# Altium PCB MCU_SLAVE.PcbDoc
Units mm, origin at the board's own origin, x right, y up, seen from the top; angles counter-clockwise.
Board outline 40.13 x 80.52 mm, 2 copper layers (Top Layer, Bottom Layer); 52 components, 45 nets, 323 pads, 23 vias.
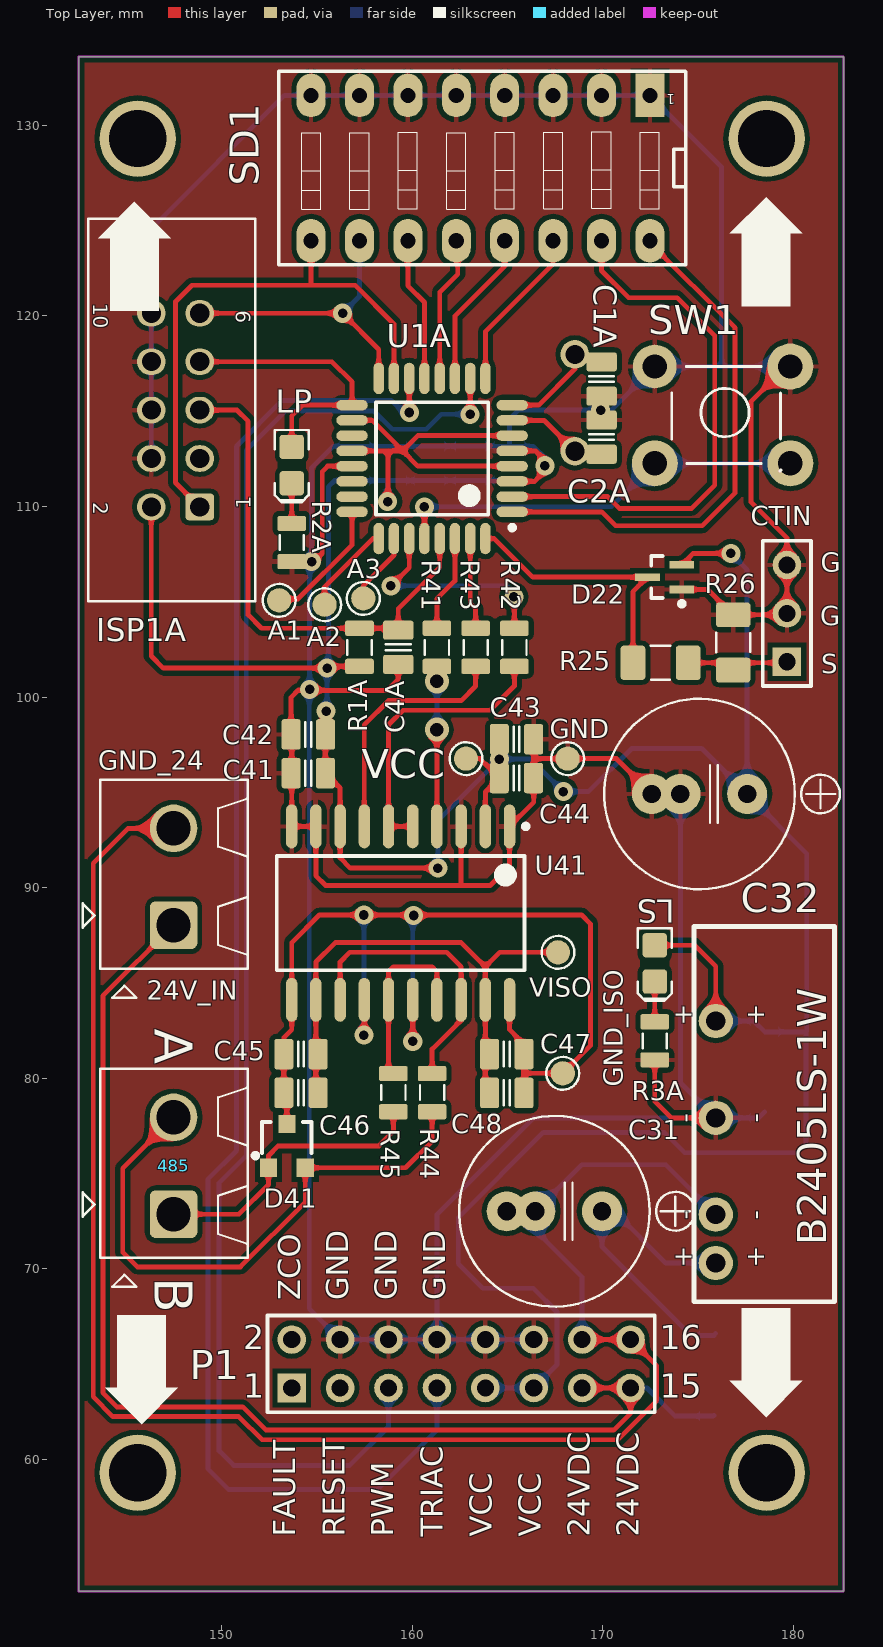
[diagram p0: Top Layer view]
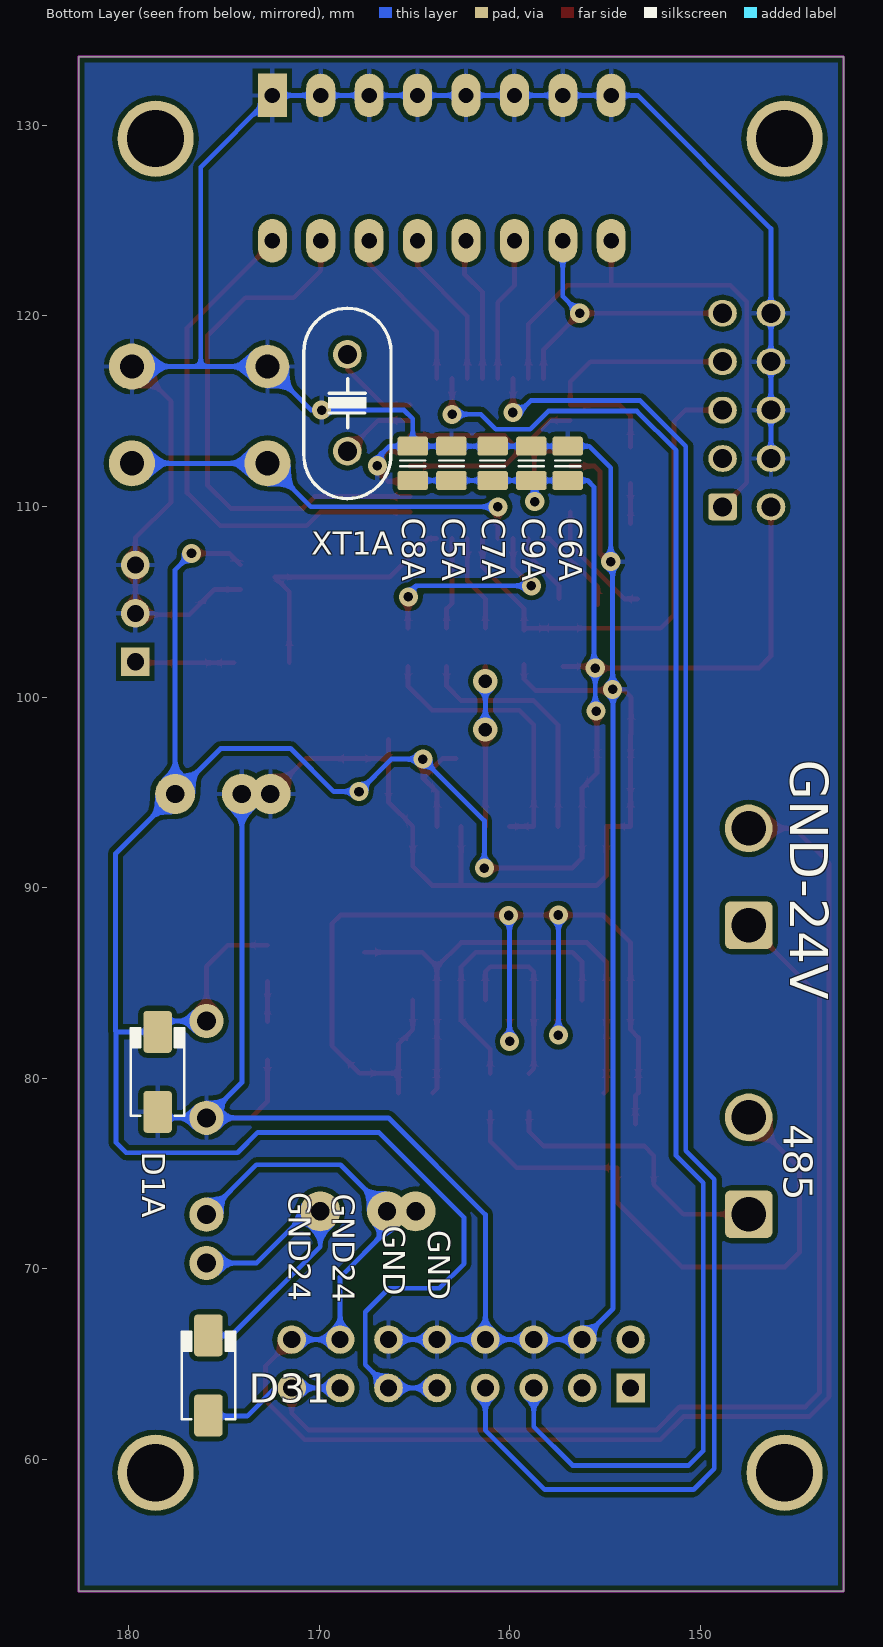
[diagram p1: Bottom Layer view, seen from below]
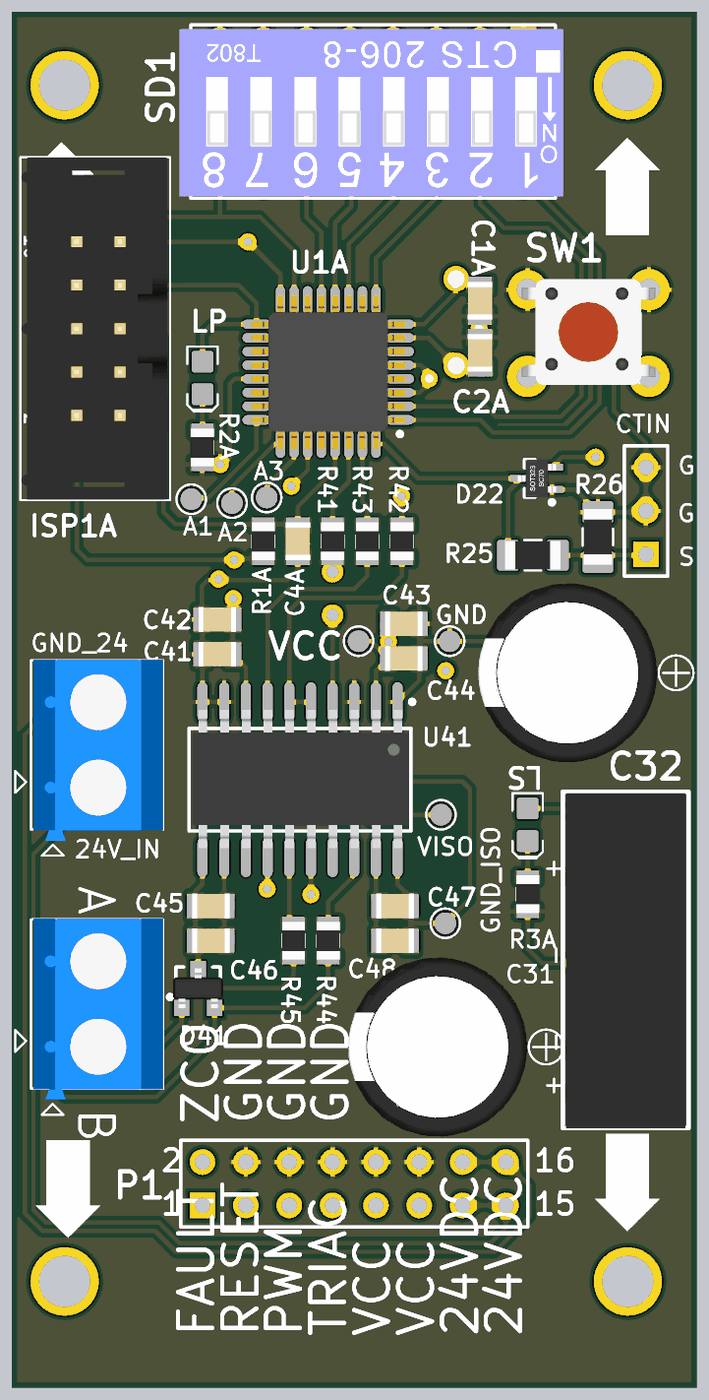
[diagram p2: 3D render of the assembled board from above, using the file's embedded part models]
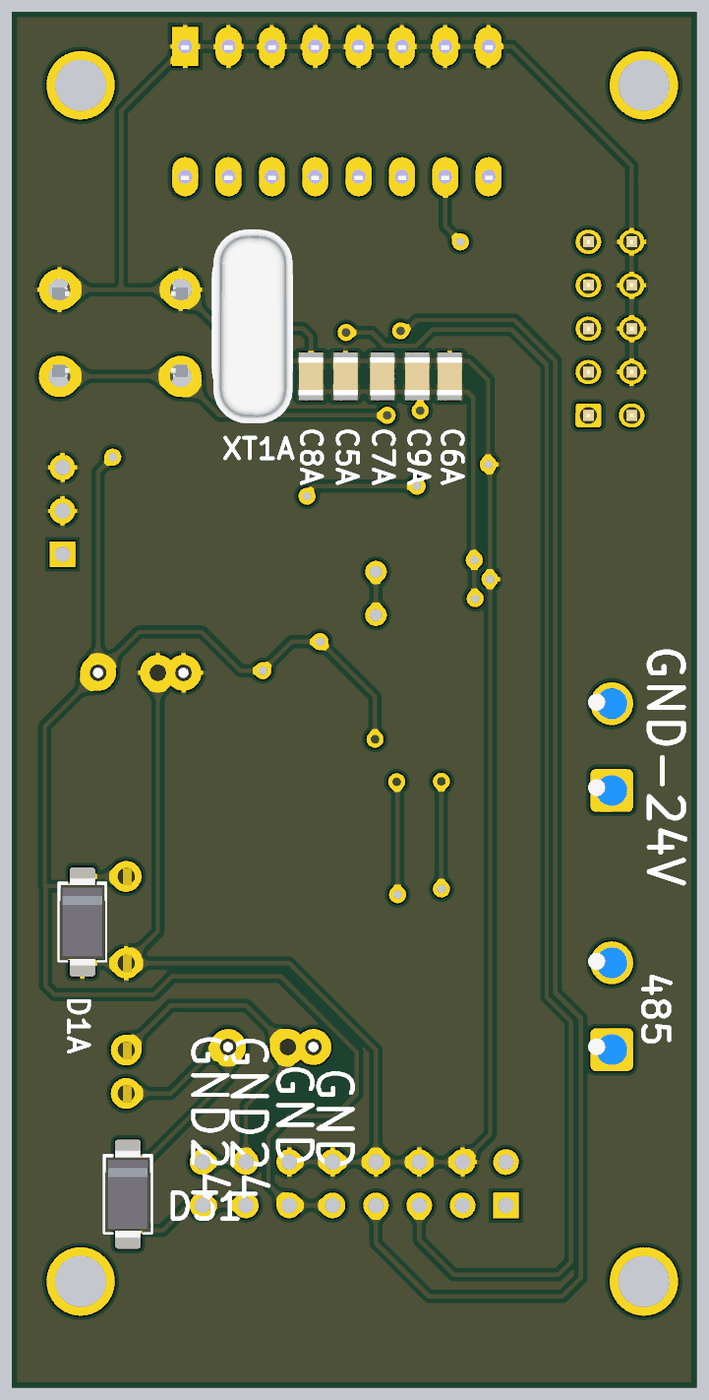
[diagram p3: 3D render of the assembled board from below, using the file's embedded part models]

## Layer stack, top to bottom
Top Solder: solder mask 0.0102, Solder Resist, Dk 3.5
Top Layer: signal copper 0.0356
Dielectric 1: dielectric 0.32, FR-4, Dk 4.8
Bottom Layer: signal copper 0.0356
Bottom Solder: solder mask 0.0102, Solder Resist, Dk 3.5

## Board outline
142.494,53.086 182.626,53.086 182.626,133.604 142.494,133.604

## Design rules (kind name [scope] priority, off if disabled: settings)
Clearance [All] p1: gap=0.254 ignorepadtopadclearanceinfootprint=TRUE except(0: Arc-Hole Track-Hole SMDPad-Hole THPad-Hole Via-Hole Fill-Hole Poly-Hole Region-Hole Text-Hole)
PolygonConnect [All] p1: connectstyle=Relief reliefconductorwidth=0.254 reliefentries=4 polygonreliefangle="90 Angle" airgapwidth=0.254
RoutingVias [All] p1: holewidth=0.711 width=1.27 viastyle="Through Hole" minholewidth=0.5 minwidth=1 maxholewidth=5 maxwidth=5
SolderMaskExpansion [All] p1: expansion=0.102
Width "Schematic Width Constraint_1" [InNet('GND')] p1: maxlimit=0.381 minlimit=0.254 preferedwidth=0.254
Width "Schematic Width Constraint" [InNet('VCC')] p2: maxlimit=0.762 minlimit=0.254 preferedwidth=0.254 checkconnectedcopper=TRUE
Width [All] p3: maxlimit=0.254 minlimit=0.254 preferedwidth=0.254
30 further rules are at their usual default settings.

## Components (designator, comment, footprint, x,y, rotation, side; value= is the part's Value field where it differs from the comment)
24V_IN "Giắc xanh 5.08mm" 2P_PCB1 147.472,90.576 r0 top value="2 position"
485 "Giắc xanh 5.08mm" 2P_PCB1 147.472,75.413 r0 top value="2 position"
A1 "TESTPOINT" TP-R60 153.01,105.08 r0 top
A2 "TESTPOINT" TP-R60 155.397,104.851 r0 top
A3 "TESTPOINT" TP-R60 157.429,105.181 r0 top
B2405LS-1W "Mornsun 0505 1W" "MORNSUN 1W" 175.92,70.307 r90 top
C1A "Tụ điện dán 060322p" CAPC2012N_F#1 169.926,116.694 r270 top value=22p
C2A "Tụ điện dán 060322p" CAPC2012N_F#1 169.926,113.646 r90 top value=22p
C4A "Tụ điện dán 0603104" CAPC2012N_F#1 159.258,102.616 r90 top value=104
C5A "Tụ điện dán 0805104" CAPC2012N_F#2 163.068,112.268 r270 bottom value=104
C6A "Tụ điện dán 0805104" CAPC2012N_F#2 156.972,112.268 r270 bottom value=104
C7A "Tụ điện dán 0603104" CAPC2012N_F#2 160.909,112.268 r270 bottom value=104
C8A "Tụ điện dán 0603104" CAPC2012N_F#2 165.1,112.268 r270 bottom value=104
C9A "Tụ điện dán 0603104" CAPC2012N_F#2 158.877,112.268 r270 bottom value=104
C31 "Tụ nhôm cắm35V/220uF" CAPE3.5-5.0MM_Rad_10x14mm 167.451,73.025 r180 top value=35V/220uF
C32 "Tụ nhôm cắm35V/220uF" CAPE3.5-5.0MM_Rad_10x14mm 175.066,94.92 r180 top value=35V/220uF
C41 "Tụ điện dán 0805104" CAPC2012N_F#1 154.54,96.012 r0 top value=104
C42 "Tụ điện dán 0805103" CAPC2012N_F#1 154.54,98.044 r0 top value=103
C43 "Tụ điện dán 0805106" CAPC2012N_F#1 165.462,97.79 r180 top value=106
C44 "Tụ điện dán 0805103" CAPC2012N_F#1 165.462,95.758 r180 top value=103
C45 "Tụ điện dán 0805103" CAPC2012N_F#1 154.158,81.271 r0 top value=103
C46 "Tụ điện dán 0805104" CAPC2012N_F#1 154.158,79.239 r0 top value=104
C47 "Tụ điện dán 0805103" CAPC2012N_F#1 164.953,81.271 r180 top value=103
C48 "Tụ điện dán 0805106" CAPC2012N_F#1 164.953,79.239 r180 top value=106
CTIN "Header 3" HDR1X3 179.654,101.854 r90 top
D1A "Đi ốt dánSMBJ12CA-E3/52" DO-214AC 178.486,80.34 r90 bottom
D22 "Đi ốt dánBAV99Wchân SOT-323" SOT323 175.017,104.902 r90 top
D31 "Đi ốt cắmvl1" DO-214AC 175.819,64.414 r90 bottom
D41 "SM712" "SOT23 TOP" 153.416,76.454 r0 top
GND "TESTPOINT" TP-R60 168.148,96.774 r0 top
GND_ISO "TESTPOINT" TP-R60 167.894,80.264 r0 top
ISP1A "Giắc đôi 5x2 chân 2.54mm" 10P_PCB_HEADER_BRD_MNT 147.574,115.062 r180 top value="Double-row, 10 positions"
LP "Blue" LED-0805-K 153.67,112.176 r270 top
LS "Blue" LED-0805-K 172.72,86.03 r270 top
P1 "Header 8X2" HDR2X8 153.67,63.754 r0 top
R1A "Điện trở dán 060310k" RESC2012N_F 157.226,102.616 r270 top value=10k
R2A "Điện trở dán 0603560R" RESC2012N_F 153.67,108.112 r270 top value=560R
R3A "Điện trở dán 0603560R" RESC2012N_F 172.72,81.966 r90 top value=560R
R25 "Điện trở dán 120610k" RESC3216N 173.025,101.803 r180 top value=10k
R26 "Điện trở dán 1206100R" RESC3216N 176.835,102.87 r270 top value=100R
R41 "Điện trở dán 08050R" RESC2012N_F 161.29,102.616 r270 top value=0R
R42 "Điện trở dán 08050R" RESC2012N_F 165.354,102.616 r270 top value=0R
R43 "Điện trở dán 08050R" RESC2012N_F 163.322,102.616 r270 top value=0R
R44 "Điện trở dán 08050R" RESC2012N_F 161.036,79.248 r270 top value=0R
R45 "Điện trở dán 08050R" RESC2012N_F 159.004,79.248 r270 top value=0R
SD1 "Công tắc gạt 8 kênh, 16 chân cắm DIP16" DIP16/W0.3K 172.466,131.572 r180 top value="SW - DIP8"
SW1 "Nút bấm 4 chân cắm12x12x6mm" SW 176.276,115.062 r0 top
U1A "Adruino Pro" TQFP32 161.036,112.522 r180 top
U41 "ADM2582_485" SO-20B 159.385,88.668 r270 top
VCC "TESTPOINT" TP-R60 162.814,96.774 r0 top
VISO "TESTPOINT" TP-R60 167.64,86.614 r0 top
XT1A "Thạch anh cắm 16MHz" XT2 168.528,115.443 r90 bottom

## Footprints (in the part's own frame and the unit in brackets; to place one, negate y for a bottom-side part, rotate by r counter-clockwise, add the part's x,y. Pads: shape width x height; smd on the part's side, far side on the other; paste and mask are expansions set on the pad)
2P_PCB1 [mm]
  rrect25% 2.5x2.5 hole 1.8: 1(0,-2.54)
  round 2.5 hole 1.8: 2(0,2.54)
  silkscreen extent -4.78,-6.35 3.9,5.08, body extent -3.71,-5.47 3.89,5.13, height 10.01
10P_PCB_HEADER_BRD_MNT [mm] "HEADER BRD MNT 10POS 2.54MM"
  round 1.016 on Mech14: 0(0,0)
  rrect25% 1.5x1.4 hole 1: 1(-1.27,5.08)
  oval 1.5x1.4 hole 1: 2(1.27,5.08) 3(-1.27,2.54) 4(1.27,2.54) 5(-1.27,0) 6(1.27,0) 7(-1.27,-2.54) 8(1.27,-2.54) 9(-1.27,-5.08) 10(1.27,-5.08)
  silkscreen extent -4.19,-10.03 4.57,10.03, body extent -4.11,-10.01 4.52,10.01, height 9.91
CAPC2012N_F#1 [mm] "Chip Capacitor, Body 2.0x1.2mm, 0805, IPC Medium Density, for Flex circuits"
  round 0.254 on Mech14: 0(0,0)
  rrect25% 1.2x1.4 on Top Solder: 1(-0.9,0) 1(0.9,0)
  rrect25% 1x1.6 smd paste-1: 1(-0.9,0) 2(0.9,0)
  rrect25% 1x1.4 on Top Paste: 1(-0.9,0) 1(0.9,0)
  Top Layer pour cut-out: -0.4,0.8 0.4,0.8 0.4,-0.8 -0.4,-0.8
  silkscreen extent -0.15,-0.65 0.15,0.65, body extent -1.1,-0.72 1.1,0.73, height 1.34
CAPC2012N_F#2 [mm] "Chip Capacitor, Body 2.0x1.2mm, 0805, IPC Medium Density, for Flex circuits"
  round 0.254 on Mech14: 0(0,0)
  rrect25% 1.2x1.4 on Bottom Solder: 1(-0.9,0) 1(0.9,0)
  rrect25% 1x1.6 smd paste-1: 1(-0.9,0) 2(0.9,0)
  rrect25% 1x1.4 on Bottom Paste: 1(-0.9,0) 1(0.9,0)
  Top Layer pour cut-out: -0.4,0.8 0.4,0.8 0.4,-0.8 -0.4,-0.8
  silkscreen extent -0.15,-0.65 0.15,0.65, body extent -1.1,-0.72 1.1,0.73, height 1.34
CAPE3.5-5.0MM_Rad_10x14mm [mm] "3.5 & 5.0mm Pitch Radial Capacitor 10x14mm DxH"
  round 0.5 on Mech14: 0(0,0)
  round 2.1 hole 0.965: 1(-2.5,0) 2(1,0) 2(2.5,0)
  silkscreen extent -7.37,-5 5,5, body extent -5.25,-5.24 5.21,5.24, height 13.99
DIP16/W0.3K [mil] "16 PIN, W 300mil, Pin to pin 100mil For Switch"
  rect 60x90 hole 31.5: 1(0,0)
  oval 60x90 hole 31.5: 2(100,0) 3(200,0) 4(300,0) 5(400,0) 6(500,0) 7(600,0) 8(700,0) 9(700,300) 10(600,300) 11(500,300) 12(400,300) 13(300,300) 14(200,300) 15(100,300) 16(0,300)
  silkscreen extent -74,-50 767,350, body extent -93,-40 793,345, height 325
DO-214AC [mm] "JEDEC DO214 variation AC. SMA"
  round 0.508 on Mech14: 0(0,0)
  rrect25% 2.2x1.5 smd: A(-2.1,0) K(2.1,0)
  silkscreen extent -2.3,-1.4 2.3,1.4, body extent -2.6,-1.3 2.6,1.3, height 2.42
HDR1X3 [mm] "Connector; Header; 3 Position"
  rect 1.5x1.5 hole 0.9: 1(0,0)
  round 1.5 hole 0.9: 2(2.54,0) 3(5.08,0)
  silkscreen extent -1.27,-1.27 6.35,1.27
HDR2X8 [mm] "Connector; Header; 8x2 Position"
  rect 1.5x1.5 hole 0.9: 1(0,0)
  round 1.5 hole 0.9: 2(0,2.54) 3(2.54,0) 4(2.54,2.54) 5(5.08,0) 6(5.08,2.54) 7(7.62,0) 8(7.62,2.54) 9(10.16,0) 10(10.16,2.54) 11(12.7,0) 12(12.7,2.54) 13(15.24,0) 14(15.24,2.54) 15(17.78,0) 16(17.78,2.54)
  silkscreen extent -1.27,-1.27 19.05,3.81
LED-0805-K [mil]
  round 20 on Mech14: 0(0,0)
  rrect25% 50x50 smd: A(-37.5,0) K(37.5,0)
  Top Layer pour cut-out: -15,30 15,30 15,-30 -15,-30
  silkscreen extent -72,-35 77,35, body extent -39,-25 39,25, height 31
"MORNSUN 1W" [mm] "B0505LS-1W-1450"
  round 1.8 hole 1: 1(0,0) 2(2.54,0) 4(7.62,0) 6(12.7,0)
  silkscreen extent -2.03,-6.22 17.65,1.14, body extent -2.03,-6.04 17.57,0.96, height 10.01
RESC2012N_F [mm] "Chip Resistor, Body 2.0x1.2mm, 0805, IPC Medium Density"
  round 0.254 on Mech14: 0(0,0)
  rrect25% 1x1.3 on Top Solder: 1(-1,0) 1(1,0)
  rrect25% 0.8x1.5 smd paste-1: 1(-1,0) 2(1,0)
  rrect25% 0.8x1.3 on Top Paste: 1(-1,0) 1(1,0)
  Top Layer pour cut-out: -0.6,0.75 0.6,0.75 0.6,-0.75 -0.6,-0.75
  silkscreen extent -0.38,-0.64 0.38,0.64, body extent -1.1,-0.67 1.1,0.68, height 0.69
RESC3216N [mm] "Chip Resistor, Body 3.2x1.6mm, 1206, IPC Medium Density"
  round 0.508 on Mech14: 0(0,0)
  rrect25% 1.3x1.8 smd: 1(-1.45,0) 2(1.45,0)
  silkscreen extent -0.51,-0.89 0.51,0.89, body extent -1.62,-0.82 1.63,0.83, height 0.69
SO-20B [mm] "SOIC, 20-Leads, Body 12.8x7.5mm, Pitch 1.27mm, IPC Medium Density"
  oval 2.3x0.6 smd: 1(-4.55,5.715) 2(-4.55,4.445) 3(-4.55,3.175) 4(-4.55,1.905) 5(-4.55,0.635) 6(-4.55,-0.635) 7(-4.55,-1.905) 8(-4.55,-3.175) 9(-4.55,-4.445) 10(-4.55,-5.715) 11(4.55,-5.715) 12(4.55,-4.445) 13(4.55,-3.175) 14(4.55,-1.905) 15(4.55,-0.635) 16(4.55,0.635) 17(4.55,1.905) 18(4.55,3.175) 19(4.55,4.445) 20(4.55,5.715)
  silkscreen extent -4.67,-6.5 3,6.69, body extent -4.1,-6.32 4,6.38, height 1.95
"SOT23 TOP" [mm]
  rect 0.9x0.95 smd: 1(-0.965,-1.143) 2(0,1.143) 3(0.965,-1.143)
  silkscreen extent -1.77,-0.63 1.3,1.25, body extent -1.46,-1.17 1.46,1.17, height 1
SOT323 [mm] "SOT323 (SC70)"
  rect 0.4x1.3 smd: 1(0.747,0.878) 2(2.047,0.878) 3(1.397,2.678)
  silkscreen extent -0.13,0.75 2.5,2.48, body extent 0.3,0.63 2.5,2.88, height 1.11
SW [mil] "6.25x6.25mm"
  round 90 hole 50: 1(-140,90)
  round 95 hole 50: 1(140,90) 2(-140,-110) 2(140,-110)
  silkscreen extent -105,-125 120,90, body extent -156,-130 156,114, height 276
TP-R60 [mm]
  round 1.27 smd: 1(0,0)
  silkscreen extent -0.86,-0.86 0.86,0.86, body extent -0.76,-0.76 0.76,0.76, height 0.25
TQFP32 [mm] "32-TQFP (7x7)"
  oval 1.65x0.55 smd: 1(-4.2,2.8) 2(-4.2,2) 3(-4.2,1.2) 4(-4.2,0.4) 5(-4.2,-0.4) 6(-4.2,-1.2) 7(-4.2,-2) 8(-4.2,-2.8) 17(4.2,-2.8) 18(4.2,-2) 19(4.2,-1.2) 20(4.2,-0.4) 21(4.2,0.4) 22(4.2,1.2) 23(4.2,2) 24(4.2,2.8)
  oval 0.55x1.65 smd: 9(-2.8,-4.2) 10(-2,-4.2) 11(-1.2,-4.2) 12(-0.4,-4.2) 13(0.4,-4.2) 14(1.2,-4.2) 15(2,-4.2) 16(2.8,-4.2) 25(2.8,4.2) 26(2,4.2) 27(1.2,4.2) 28(0.4,4.2) 29(-0.4,4.2) 30(-1.2,4.2) 31(-2,4.2) 32(-2.8,4.2)
  silkscreen extent -4.33,-2.95 2.95,3.75, body extent -4.5,-4.5 4.5,4.5, height 1.6
XT2 [mm]
  round 1.5 hole 1: 1(-2.54,0) 2(2.54,0)
  silkscreen extent -5.03,-2.29 4.96,2.29, body extent -5.93,-2.36 5.42,2.29, height 3.5

## Part data
24V_IN 485: library part 2P_ScrewTerm_90S_3.81MM, "Terminal Block Screw Type THT 2-Position 3.81mm pitch", Color=Black, Manufacturer 1="Tyco Electronics", Manufacturer Part Number 1=1776113-2, Package / Case="Side Entry; 3.81mm pitch", Supplier Part Number 1=A97976-ND, Category="Connectors Interconnects", Pitch="0.150\" (3.81mm)", Positions Per Level=2, Supplier 1=Digi-Key, vl="Gi?c xanh 5.08mm"
A1 A2 A3 GND GND_ISO VCC VISO: "SMD test pin"
C1A C2A C4A C5A C6A C7A C8A C9A C41 C42 C43 C44 C45 C46 C47 C48: library part "CAP NP", "Capacitor non polarized", cm1="T? di?n dán 0603", cm2="T? di?n dán 0805", cm3="T? di?n dán 1206"
C31 C32: library part Cap, cm="T? nhôm c?m"
CTIN: "Header, 3-Pin", LatestRevisionDate=17-Jul-2002, LatestRevisionNote="Re-released for DXP Platform.", Publisher="Altium Limited"
D1A: library part "TVS Diodes", "TVS Diodes - Transient Voltage Suppressors", cm1="Ði ?t dán", SMAJ5.0A="TVS Diodes - Transient Voltage Suppressors 5volts 400watts UniDirectional", SMBJ12CA-E3/52=12V,600W,DO-214AA, vl1=SMAJ5.0A, vl2=SMBJ12CA-E3/52
D22: library part BAV99W, "Diode Array 1 Pair Series Connection Standard 70V 215mA (DC) Surface Mount SC-70, SOT-323", cm1="Ði ?t dán", cm2="chân SOT-323", Des="Diode Array 1 Pair Series Connection Standard 70V 215mA (DC) Surface Mount SC-70, SOT-323", vl1=BAV99W, vl2=BAV70
D31: library part Diode, cm1="Ði ?t c?m", cm2="Ði ?t dán", vl2=FR307, vl3="TVS 1.5KE300A 19A 300V", vl4="HER508 5A 1000V"
D41: "The SM712 transient voltage suppressor (TVS) diode  is designed for asymmetrical (12V to -7V) protection  in multi-point data transmission standard RS-485  applications."
ISP1A: library part CONN_HEADER_2x5P_0.100in_Male, "Header THD 10 POS Double-row 2.54mm pitch", Manufacturer 1=3M, Manufacturer Part Number 1=D2510-6002-AR, Package / Case="Connector header; 2.54mm pitch", Supplier Part Number 1=MHC10E-ND, ComponentLink1Description=http://multimedia.3m.com/mws/mediawebserver?66666UuZjcFSLXTtm8T_oxMcEVuQEcuZgVs6EVs6E666666--, ComponentLink1URL=http://multimedia.3m.com/mws/mediawebserver?66666UuZjcFSLXTtm8T_oxMcEVuQEcuZgVs6EVs6E666666--, Connector Type="Header, Shrouded", Contact Mating Length="0.243\" (6.17mm)", Contact Type="Male Pin", Number of Positions=10, Number of Rows=2, Pitch="0.100\" (2.54mm)", QtyOverride=1, Row Spacing="0.100\" (2.54mm)", Supplier 1=Digi-Key
LP LS: library part LED_SMD_Blue_0805_100mcd, "LED 0805 SMD Blue 100mcd 470nm", Manufacturer 1=Ligitek, Manufacturer Part Number 1=LG-170DBKZ-CT, Package / Case=0805, Ratings="100 mcd; 470 nm", Color=Blue, Material=InGaN/GaN
P1: "Header, 8-Pin, Dual row", LatestRevisionDate=17-Jul-2002, LatestRevisionNote="Re-released for DXP Platform.", Publisher="Altium Limited"
R1A R2A R3A R25 R26 R41 R42 R43 R44 R45: library part Res, "Resistor", cm1="Ði?n tr? dán 0603", cm2="Ði?n tr? c?m 1/4W", cm3="Ði?n tr? dán 0805", cm4="Ði?n tr? dán 1206"
SD1: library part SWDIP-8, "DIP Switch, 8 Position, SPST", cm1="Công t?c g?t 8 kênh, 16 chân c?m DIP16"
SW1: library part SW-4P-Small, cm1="Nút b?m 4 chân c?m", vl1=12x12x6mm
XT1A: library part Crystal

## Free pads (board coordinates)
  round 4 hole 3: 0(145.59,129.304) 1(145.59,59.304) 2(178.59,59.304) 3(178.59,129.304)

## Via types
v1: diameter 1, hole 0.5, Top Layer to Bottom Layer, 21 vias
v2: diameter 1.27, hole 0.711, Top Layer to Bottom Layer, 2 vias

## Nets (pads, with @x,y where several pads share a name; then routed paths per layer and width w, separated by ;. In a path a pad name is that pad's centre, name@x,y a point inside that pad or via, vN(x,y) a via of type N, cw(c..) or ccw(c..) an arc to the next point about the centre after c; other vN are vias at no path point)
24V: 24V_IN.1 D31.A P1.13 P1.15 | length 66.3
  Top Layer w0.254: 24V_IN.1 143.764,84.328 143.764,63.5 144.501,62.763 151.105,62.763 152.324,61.544 170.561,61.544 171.45,62.433 P1.15 P1.13
  Bottom Layer w0.254: P1.13 P1.15 172.314,63.754 173.787,62.281 175.785,62.281 D31.A
485A: 485.2 D41.3 R44.2 | length 30.1
  Top Layer w0.254: 485.2 144.805,75.286 144.805,70.866 145.567,70.104 150.978,70.104 154.381,73.508 D41.3 159.639,75.311 161.036,76.708 R44.2
485B: 485.1 D41.1 R45.2 | length 15.3
  Top Layer w0.254: 485.1 150.901,72.873 152.451,74.422 D41.1 152.451,75.946 152.959,76.454 158.242,76.454 159.004,77.216 R45.2
+24V: B2405LS-1W.1 C31.1 D31.K | length 16.9
  Bottom Layer w0.254: D31.K@175.92,66.616 D31.K 174.608,66.514 169.951,71.171 C31.1 170.586,73.025 173.304,70.307 B2405LS-1W.1
A: R44.1@161.036,80.248 U41.13 U41.18 | length 15.1
  Top Layer w0.254: U41.13 156.21,86.106 156.718,86.614 161.798,86.614 162.56,85.852 U41.18 162.56,83.058 161.036,81.534 R44.1@161.036,80.248
A0: U1A.23
A1: A1.1 U1A.24 | length 6.4
  Top Layer w0.254: A1.1@153.314,105.156 154.002,105.156 156.836,107.99 U1A.24
A2: A2.1 U1A.25 | length 4.8
  Top Layer w0.254: A2.1 155.397,105.791 157.928,108.322 U1A.25
A3: A3.1 U1A.26 | length 3.8
  Top Layer w0.254: A3.1 157.429,105.842 159.036,107.449 U1A.26
A6: U1A.19
A7: U1A.22
B: R45.1@159.004,80.248 U41.15 U41.17 | length 9.7
  Top Layer w0.254: R45.1@159.004,80.248 158.75,80.502 U41.15 158.75,85.598 159.004,85.852 161.036,85.852 161.29,85.598 U41.17
FAULT: P1.1
GND: B2405LS-1W.4 C1A.2 C2A.2 C4A.1@159.258,101.716 C5A.1@163.068,113.168 C6A.1@156.972,113.168 C7A.1@160.909,113.168 C8A.1@165.1,113.168 C9A.1@158.877,113.168 C32.2 C41.1@153.64,96.012 C42.1@153.64,98.044 C43.1@166.362,97.79 C44.1@166.362,95.758 CTIN.2 CTIN.3 D1A.A D22.1 GND.1 ISP1A.4 ISP1A.6 ISP1A.8 ISP1A.10 P1.4 P1.6 P1.8 P1.10 P1.12 R2A.2 R3A.1@172.72,80.966 R26.1 SD1.1 SD1.2 SD1.3 SD1.4 SD1.5 SD1.6 SD1.7 SD1.8 SW1.1 U1A.3 U1A.5 U1A.21 U41.1 U41.3 U41.9 U41.10 | length 271.1
  Top Layer w0.254: v1(154.712,107.112) 154.839,107.112 155.27,107.544 155.27,111.836 155.556,112.122 U1A.21 ; C4A.1@159.258,101.716 159.258,100.94 158.674,100.355 154,100.355 153.64,99.995 153.64,98.044 153.67,98.014 U41.10 U41.9 154.94,90.627 155.448,90.119 162.509,90.119 ; U41.3 162.56,90.17 162.509,90.119 ; U1A.3 166.415,111.322 166.954,111.862 v1(166.954,112.141) 166.954,112.446 166.478,112.922 U1A.5 ; C43.1@166.362,97.79 166.37,97.782 166.37,96.774 ; C32.2@172.566,94.92 170.712,96.774 GND.1 166.37,96.774 ; R3A.1@172.72,80.966 172.72,78.791 173.584,77.927 B2405LS-1W.4 ; D22.1 175.506,105.649 R26.1 179.58,104.32 CTIN.2 CTIN.3 179.654,108.356 177.775,110.236 177.775,115.519 179.603,117.348 SW1.1@179.832,117.348 ; 162.509,90.119 164.084,90.119 165.1,91.135 U41.1 166.37,94.488 166.37,96.774
  Bottom Layer w0.254: ISP1A.4 ISP1A.6 ISP1A.8 ISP1A.10 146.304,124.587 153.289,131.572 SD1.8 SD1.7 SD1.6 SD1.5 SD1.4 SD1.3 SD1.2 SD1.1 176.225,127.813 176.225,117.348 ; P1.12 P1.10 P1.8 ; v1(166.954,112.141) 166.954,112.547 166.334,113.168 C8A.1@165.1,113.168 ; C32.2@174.066,94.92 174.066,79.781 B2405LS-1W.4 ; D1A.A 178.173,77.927 B2405LS-1W.4 ; SW1.1@179.832,117.348 176.225,117.348 ; P1.8 161.29,72.847 166.37,77.927 B2405LS-1W.4 ; P1.8 P1.6 P1.4 154.592,67.912 154.592,100.389 v1(154.61,100.406) 154.61,107.01 v1(154.712,107.112) 154.711,112.039 155.84,113.168 156.972,113.168 158.877,113.168 160.909,113.168 163.068,113.168 C8A.1@165.1,113.168 ; C8A.1@165.1,113.168 165.1,114.605 165.557,115.062 v1(169.875,115.062) 170.434,115.062 172.72,117.348 176.225,117.348
GND_24V: 24V_IN.2 B2405LS-1W.2 C31.2 P1.14 P1.16 | length 92.5
  Top Layer w0.254: 24V_IN.2 145.085,93.116 143.256,91.288 143.256,63.29 144.29,62.255 150.894,62.255 152.113,61.036 170.771,61.036 172.822,63.086 172.822,64.922 P1.16 P1.14
  Bottom Layer w0.254: P1.16 P1.14 168.91,69.571 166.451,72.029 166.451,73.025 168.89,75.463 173.304,75.463 B2405LS-1W.2
GND_ISO: C45.1@153.258,81.271 C46.1@153.258,79.239 C47.1@165.853,81.271 C48.1@165.853,79.239 D41.2 GND_ISO.1 U41.11 U41.14 U41.16 U41.20 | length 58.9
  Top Layer w0.254: D41.2 153.416,79.081 153.258,79.239 153.258,81.271 153.258,82.138 153.67,82.55 U41.11 153.67,87.122 155.118,88.57 v1(157.455,88.57) ; v1(157.455,82.271) 157.48,82.296 U41.14 ; v1@157.48,88.595 v1(157.455,88.57) ; v1(160.02,81.94) U41.16 ; U41.20 165.1,82.55 165.853,81.797 165.853,81.271 165.853,80.264 ; C48.1@165.853,79.239 165.853,80.264 ; v1(157.455,88.57) 168.885,88.57 169.342,88.113 169.342,81.712 GND_ISO.1 165.853,80.264
  Bottom Layer w0.254: v1(157.455,82.271) v1(157.455,88.57) ; v1(160.02,81.94) 160.02,88.494 v1(160.071,88.544)
INT0: D22.3 R25.2 U1A.32 | length 14.2
  Top Layer w0.254: U1A.32 164.296,108.322 166.319,106.299 D22.3 171.575,105.535 R25.2
MCU_RX: R41.1@161.29,103.616 U1A.30 | length 5.1
  Top Layer w0.254: R41.1@161.29,103.616 161.29,105.156 162.236,106.102 U1A.30
MCU_TX: R43.1@163.322,103.616 U1A.31 | length 4.8
  Top Layer w0.254: U1A.31 163.036,104.934 163.322,104.648 R43.1@163.322,103.616
MISO: ISP1A.9 SD1.10 U1A.16 | length 15.9
  Top Layer w0.254: ISP1A.9 v1(156.337,120.142) 158.236,118.243 U1A.16
  Bottom Layer w0.254: v1(156.337,120.142) 157.226,121.031 SD1.10
MOSI: ISP1A.1 SD1.9 U1A.15 | length 29.2
  Top Layer w0.254: ISP1A.1 147.574,111.252 147.574,120.752 148.438,121.615 154.711,121.615 ; SD1.9 154.686,121.641 154.711,121.615 ; U1A.15 159.036,119.577 156.997,121.615 154.711,121.615
NetLP_K: LP.K R2A.1@153.67,109.112 | length 2.1
  Top Layer w0.254: R2A.1@153.67,109.112 LP.K
NetLS_K: LS.K R3A.2 | length 2.1
  Top Layer w0.254: R3A.2 LS.K
PWM1: P1.5 U1A.10 | length 80.4
  Top Layer w0.254: v1(163.036,114.84) U1A.10
  Bottom Layer w0.254: P1.5 158.75,61.722 156.718,59.69 150.622,59.69 149.86,60.452 149.86,74.524 151.282,75.946 151.282,112.954 153.34,115.011 157.988,115.011 158.945,114.054 160.739,114.054 161.525,114.84 v1(163.036,114.84) v1@163.068,114.808
RD485: R42.1@165.354,103.616 U1A.27 | length 11.3
  Top Layer w0.254: v1(158.877,105.842) 159.836,106.801 U1A.27 ; R42.1@165.354,103.616 v1@165.354,105.258
  Bottom Layer w0.254: v1(158.877,105.842) 164.922,105.842 165.329,105.435 v1(165.329,105.258)
RDE: R42.2 U41.5 U41.6 | length 15.1
  Top Layer w0.254: U41.5 U41.6 158.75,98.552 159.512,99.314 164.084,99.314 165.354,100.584 R42.2
RESET: P1.3
RST: C4A.2 ISP1A.5 R1A.1@157.226,103.616 U1A.29 | length 26.9
  Top Layer w0.254: ISP1A.5 150.8,115.062 151.384,114.478 151.384,104.318 152.086,103.616 157.226,103.616 159.158,103.616 C4A.2 159.258,104.648 161.436,106.826 U1A.29
RxD: R41.2 U41.4 | length 8.4
  Top Layer w0.254: U41.4 v2(161.29,98.298) ; v2(161.29,100.838) R41.2
  Bottom Layer w0.254: v2(161.29,98.298) v2(161.29,100.838)
SCK: ISP1A.7 LP.A U1A.17 | length 14.7
  Top Layer w0.254: ISP1A.7 155.778,117.602 156.836,116.544 U1A.17 154.235,115.322 153.67,114.757 LP.A
SIG: CTIN.1 R25.1 R26.2 | length 5.2
  Top Layer w0.254: R25.1 179.603,101.803 CTIN.1
SWD1: SD1.16 U1A.1 | length 27.8
  Top Layer w0.254: U1A.1 169.932,109.722 170.663,108.991 175.209,108.991 176.936,110.719 176.936,119.38 172.466,123.85 SD1.16
SWD2: SD1.15 U1A.2 | length 28.2
  Top Layer w0.254: U1A.2 170.25,110.522 170.866,109.906 174.65,109.906 175.87,111.125 175.87,118.974 173.888,120.955 171.348,120.955 169.926,122.377 SD1.15
SWD3: SD1.14 U1A.9 | length 8.7
  Top Layer w0.254: U1A.9 163.836,119.183 167.386,122.733 SD1.14
SWD4: SD1.13 U1A.11 | length 8.3
  Top Layer w0.254: U1A.11 162.236,119.996 164.846,122.606 SD1.13
SWD5: SD1.12 U1A.12 | length 7.7
  Top Layer w0.254: U1A.12 161.436,121.253 162.382,122.199 162.382,123.876 SD1.12
SWD6: SD1.11 U1A.13 | length 7.6
  Top Layer w0.254: SD1.11 159.766,121.59 160.636,120.72 U1A.13
Test: SW1.2 U1A.28 | length 21.8
  Top Layer w0.254: U1A.28 v1(160.636,109.988)
  Bottom Layer w0.254: v1(160.636,109.988) 170.44,109.988 172.72,112.268 SW1.2@179.832,112.268
Triac: P1.7 U1A.14 | length 82.8
  Top Layer w0.254: U1A.14 159.842,116.716 v1(159.842,114.935)
  Bottom Layer w0.254: v1(159.842,114.935) 159.842,114.63 159.836,114.624 158.89,115.57 153.18,115.57 150.774,113.164 150.774,76.2 149.276,74.701 149.276,59.512 150.368,58.42 158.166,58.42 161.29,61.544 P1.7
TxD: R43.2 U41.7 | length 13
  Top Layer w0.254: U41.7 157.48,98.552 158.75,99.822 162.56,99.822 163.322,100.584 R43.2
VCC: B2405LS-1W.6 C5A.2 C6A.2 C7A.2 C8A.2 C9A.2 C32.1 C41.2 C42.2 C43.2 C44.2 D1A.K D22.2 ISP1A.2 LS.A P1.9 P1.11 R1A.2 U1A.4 U1A.6 U1A.18 U1A.20 U41.2 U41.8 VCC.1 | length 187.9
  Top Layer w0.254: ISP1A.2 146.304,102.159 146.939,101.524 v1(155.524,101.524) 155.616,101.616 R1A.2 ; v1(155.473,99.263) 155.44,99.23 C42.2 C41.2 156.21,95.242 U41.8 156.21,91.567 156.743,91.034 v1(161.341,91.034) ; U1A.20 158.725,112.922 ; U1A.18 157.893,114.522 159.493,112.922 ; v1(158.699,110.261) 158.725,110.287 158.725,112.922 ; VCC.1 163.546,96.774 C44.2 ; U41.2 163.83,95.026 C44.2 ; v1@164.562,96.749 C44.2 ; U1A.4 160.293,112.122 159.493,112.922 ; U1A.6 160.293,113.722 159.493,112.922 ; LS.A 174.815,86.982 175.92,85.877 B2405LS-1W.6 ; D22.2 174.734,107.544 v1(176.708,107.544) ; 158.725,112.922 159.493,112.922
  Bottom Layer w0.254: v1(155.473,99.263) 155.524,99.314 v1(155.524,101.524) 155.593,101.592 155.593,111.041 155.92,111.368 C6A.2 C9A.2@158.623,111.368 ; v1(158.699,110.261) 158.699,111.292 C9A.2@158.623,111.368 ; v1(161.341,91.034) 161.341,93.523 v1(164.567,96.749) 166.218,96.749 v1(167.919,95.047) 169.24,95.047 171.501,97.307 175.179,97.307 C32.1 ; P1.9 P1.11 167.589,64.973 167.589,67.742 166.345,68.986 163.703,68.986 162.408,70.282 162.408,72.695 166.878,77.165 173.228,77.165 174.295,76.098 180.137,76.098 180.662,76.624 180.662,82.44 ; C8A.2 C5A.2 C7A.2 C9A.2 C9A.2@158.623,111.368 ; B2405LS-1W.6 177.919,83.007 D1A.K 180.662,82.44 ; v1(176.708,107.544) 177.566,106.685 C32.1 ; C32.1 180.696,91.79 180.696,82.474 180.662,82.44
VISO: C45.2 C46.2 C47.2 C48.2 U41.12 U41.19 VISO.1 | length 27.6
  Top Layer w0.254: C46.2 154.94,79.357 U41.12 154.94,86.106 155.956,87.122 162.56,87.122 163.83,85.852 ; C48.2 163.83,79.462 U41.19 163.83,85.852 ; VISO.1 164.592,86.614 163.83,85.852
XTAL1: C2A.1@169.926,112.746 U1A.7 XT1A.1 | length 4
  Top Layer w0.254: U1A.7 166.909,114.522 XT1A.1
XTAL2: C1A.1@169.926,117.594 U1A.8 XT1A.2 | length 4.8
  Top Layer w0.254: U1A.8 166.63,115.322 168.528,117.22 XT1A.2
ZCO: P1.2
pads on no net: C1A.0 C1A.1@169.926,115.794 C1A.1@169.926,117.594 C2A.0 C2A.1@169.926,112.746 C2A.1@169.926,114.546 C4A.0 C4A.1@159.258,101.716 C4A.1@159.258,103.516 C5A.0 C5A.1@163.068,111.368 C5A.1@163.068,113.168 C6A.0 C6A.1@156.972,111.368 C6A.1@156.972,113.168 C7A.0 C7A.1@160.909,111.368 C7A.1@160.909,113.168 C8A.0 C8A.1@165.1,111.368 C8A.1@165.1,113.168 C9A.0 C9A.1@158.877,111.368 C9A.1@158.877,113.168 C31.0 C32.0 C41.0 C41.1@153.64,96.012 C41.1@155.44,96.012 C42.0 C42.1@153.64,98.044 C42.1@155.44,98.044 C43.0 C43.1@164.562,97.79 C43.1@166.362,97.79 C44.0 C44.1@164.562,95.758 C44.1@166.362,95.758 C45.0 C45.1@153.258,81.271 C45.1@155.058,81.271 C46.0 C46.1@153.258,79.239 C46.1@155.058,79.239 C47.0 C47.1@164.053,81.271 C47.1@165.853,81.271 C48.0 C48.1@164.053,79.239 C48.1@165.853,79.239 D1A.0 D31.0 ISP1A.0 ISP1A.3 LP.0 LS.0 R1A.0 R1A.1@157.226,101.616 R1A.1@157.226,103.616 R2A.0 R2A.1@153.67,107.112 R2A.1@153.67,109.112 R3A.0 R3A.1@172.72,80.966 R3A.1@172.72,82.966 R25.0 R26.0 R41.0 R41.1@161.29,101.616 R41.1@161.29,103.616 R42.0 R42.1@165.354,101.616 R42.1@165.354,103.616 R43.0 R43.1@163.322,101.616 R43.1@163.322,103.616 R44.0 R44.1@161.036,78.248 R44.1@161.036,80.248 R45.0 R45.1@159.004,78.248 R45.1@159.004,80.248

## Polygon pours and split planes (outlines as drawn)
GND on Top Layer "Top Layer-No Net" (solid, remove dead copper, pour order 2): 142.5,133.604 182.5,133.604 182.5,53.086 142.5,53.086
GND on Bottom Layer "Top Layer-No Net" (solid, remove dead copper, pour order 4): 142.5,133.5 182.626,133.5 182.626,53.212 182.5,53.086 142.5,53.086

## Keep-outs
Keep-Out Layer:
  the board outline again, w0.1

## Silkscreen, mask and mechanical layers (free items; w line width, h text height)
Top Overlay:
  region: 145.796,61.849 147.701,63.754 147.066,63.754 147.066,67.564 144.526,67.564 144.526,63.754 143.891,63.754
  region: 178.562,126.238 176.657,124.333 177.292,124.333 177.292,120.523 179.832,120.523 179.832,124.333 180.467,124.333
  region: 145.415,125.984 143.51,124.079 144.145,124.079 144.145,120.269 146.685,120.269 146.685,124.079 147.32,124.079
  region: 178.562,62.23 180.467,64.135 179.832,64.135 179.832,67.945 177.292,67.945 177.292,64.135 176.657,64.135
  text "G" at 181.432,106.578 h1
  text "G" at 181.407,103.784 h1
  text "S" at 181.458,101.244 h1
  text "GND_24" at 143.51,96.19 h1
  text "A" at 146.482,82.601 h2 r270
  text "B" at 146.482,69.571 h2 r270
  text "ZCO" at 154.5,68.356 h2 r90
  text "GND" at 157.04,68.356 h2 r90
  text "GND" at 159.58,68.356 h2 r90
  text "GND" at 162.12,68.356 h2 r90
  text "FAULT" at 154.246,55.944 h2 r90
  text "RESET" at 156.841,55.944 h2 r90
  text "PWM" at 159.392,55.944 h2 r90
  text "TRIAC" at 161.987,55.944 h2 r90
  text "VCC" at 164.56,55.944 h2 r90
  text "VCC" at 167.134,55.944 h2 r90
  text "24VDC" at 169.707,55.944 h2 r90
  text "24VDC" at 172.28,55.944 h2 r90
Bottom Overlay:
  text "GND-24V" at 145.288,96.723 h2 r90
  text "GND24" at 172.009,74.016 h2 r90
  text "GND24" at 169.697,73.939 h2 r90
  text "GND" at 167.03,72.263 h2 r90
  text "GND" at 164.668,72.034 h2 r90

## Text inside footprints (layer, text, board x,y; h text height)
B2405LS-1W: Top Overlay "+" at 174.65,70.053 h1 r90; Top Overlay "+" at 174.65,82.753 h1 r90; Top Overlay "+" at 178.46,82.753 h1 r90; Top Overlay "+" at 178.46,70.053 h1 r90; Top Overlay "-" at 174.777,77.673 h1 r90; Top Overlay "-" at 174.777,72.593 h1 r90; Top Overlay "-" at 178.46,77.673 h1 r90; Top Overlay "-" at 178.46,72.593 h1 r90
ISP1A: Top Overlay "2" at 143.256,110.236 h0.76 r270; Top Overlay "1" at 151.511,109.891 h0.76 r90; Top Overlay "10" at 143.256,120.657 h0.76 r270; Top Overlay "9" at 151.511,119.609 h0.76 r90
P1: Top Overlay "16" at 172.974,65.786 h1.27; Top Overlay "15" at 172.974,63.246 h1.27; Top Overlay "1" at 151.13,63.246 h1.27; Top Overlay "2" at 151.13,65.786 h1.27
SD1: Top Overlay "1" at 173.787,131.623 h0.51 r180